# Allegro board SDHCalFEB20180110.brd (continued)
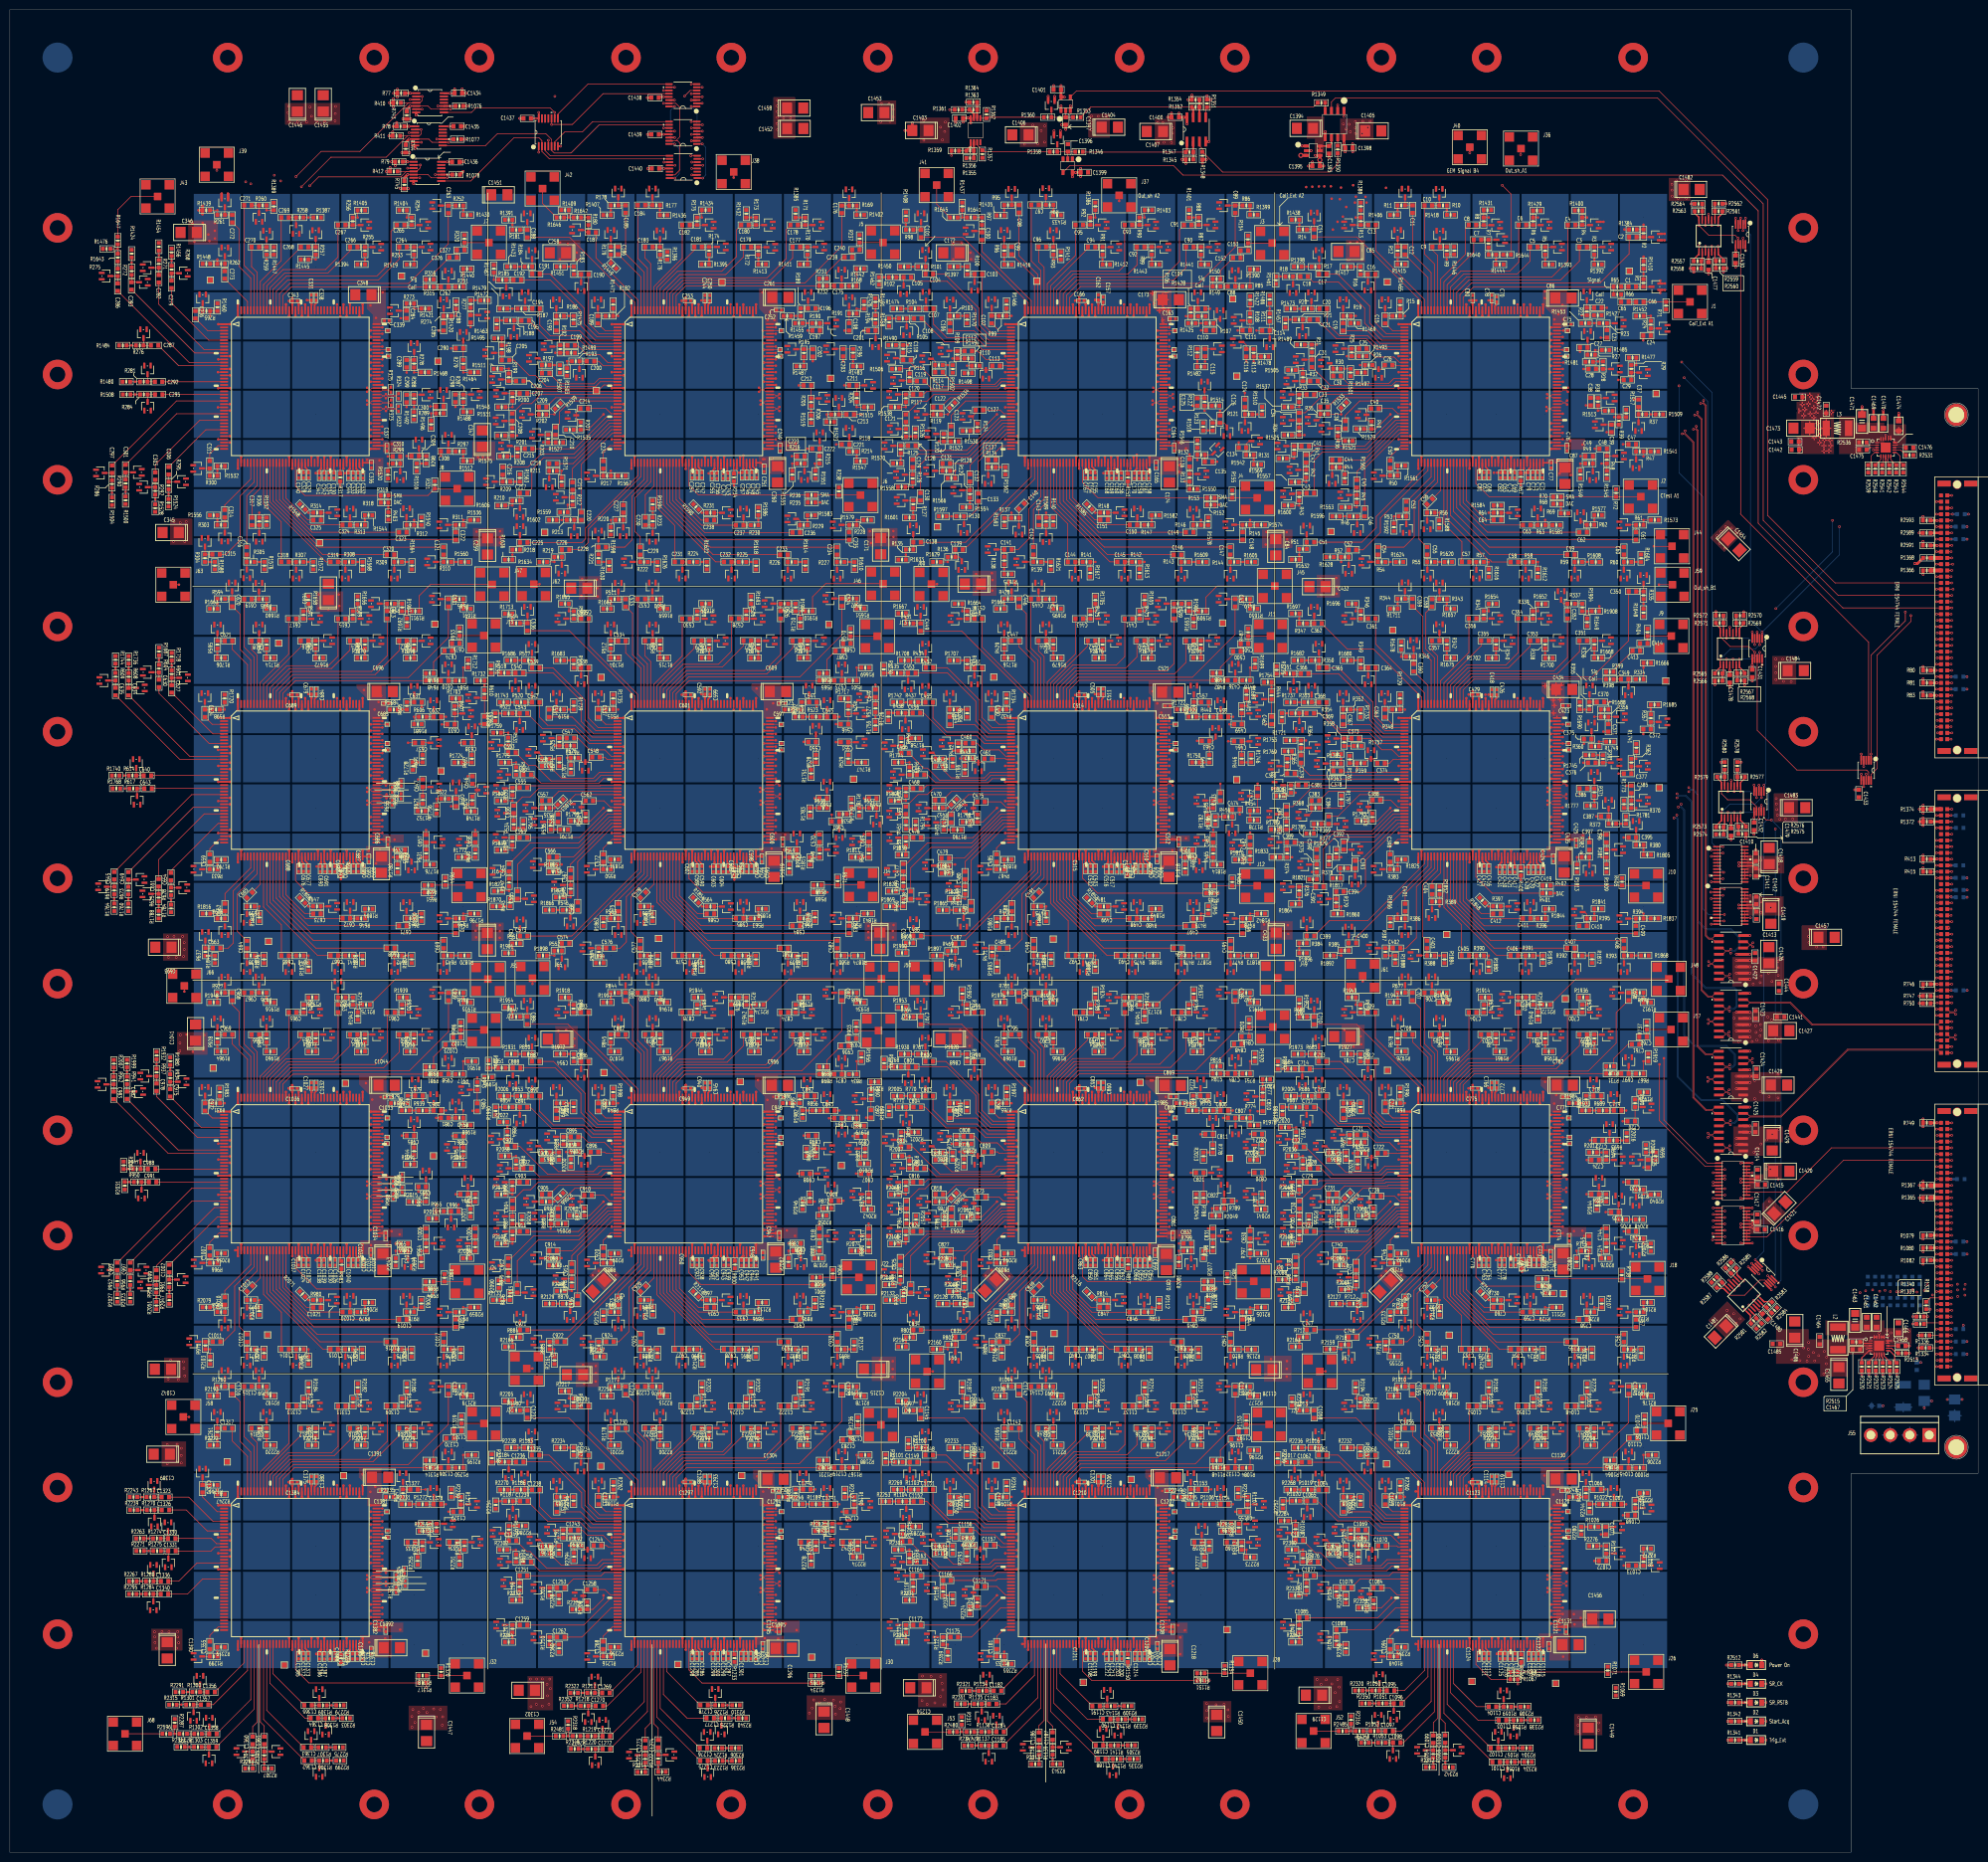
[diagram p0: board, top side]
## Routing (per net, layer and track width the routed paths; a pad name or vN(x,y) marks a point on that pad's centre or on a via; arc(x,y) is an arc through that point) (continued)
GEM_OUT_M55: length 45.7
  TOP w0.127: R2312.2 289.45,17.28 v1(289.45,18.25) R1054.1
  GND1 w0.127: v1(289.45,18.25) v2(289.45,18.98)
  SIG3 w0.127: v2(289.45,18.98) 289.45,23.87 311.46,45.88 v2(311.46,52.2)
  GND3 w0.127: v3(312.2,52.2) v2(311.46,52.2)
GEM_OUT_M56: length 35
  TOP w0.127: R2342.2 291.89,17.26 v1(291.89,18.24) R1055.1
  GND1 w0.127: v2(291.89,18.97) v1(291.89,18.24)
  SIG3 w0.127: v2(312.2,41.46) 312.2,38.08 293.09,18.97 v2(291.89,18.97)
  GND3 w0.127: v3(312.2,42.2) v2(312.2,41.46)
GEM_OUT_M57: length 37.5
  TOP w0.127: R2334.2 307.94,18.33 v1(306.98,18.33) R1056.1
  GND1 w0.127: v2(307.72,18.33) v1(306.98,18.33)
  SIG3 w0.127: v2(307.72,18.33) 330.85,41.46 v2(332.2,41.46)
  GND3 w0.127: v3(332.2,42.2) v2(332.2,41.46)
GEM_OUT_M58: length 44.4
  TOP w0.127: R1057.1 v1(306.65,21.15) 307.61,21.15 R2304.2
  GND1 w0.127: v2(307.39,21.15) v1(306.65,21.15)
  SIG3 w0.127: v2(307.39,21.15) 331.46,45.22 v2(331.46,52.2)
  GND3 w0.127: v3(332.2,52.2) v2(331.46,52.2)
GEM_OUT_M59: length 23.5
  TOP w0.127: R1058.1 v1(308.28,26.84) 309.24,26.84 R2338.2
  GND1 w0.127: v1(308.28,26.84) v2(309.02,26.84)
  SIG3 w0.127: v2(322.2,41.46) 322.2,40.02 v2(309.02,26.84)
  GND3 w0.127: v3(322.2,42.2) v2(322.2,41.46)
GEM_OUT_M60: length 32
  TOP w0.127: R2308.2 307.2,29.56 v1(306.25,29.56) R1059.1
  GND1 w0.127: v2(306.98,29.56) v1(306.25,29.56)
  SIG3 w0.127: v2(306.98,29.56) 321.46,44.04 v2(321.46,52.2)
  GND3 w0.127: v3(322.2,52.2) v2(321.46,52.2)
GEM_OUT_N1: length 5.1
  TOP w0.127: R2196.2 252.2,81.67 v1(252.2,80.73) 252.2,78.12 R1084.1
  GND1 w0.127: v2(252.2,81.46) v1(252.2,80.73)
  GND3 w0.127: v3(252.2,82.2) v2(252.2,81.46)
GEM_OUT_N2: length 3.4
  TOP w0.127: R2177.2 252.2,92.72 v1(252.2,93.67) 252.2,94.63 R1085.1
  GND1 w0.127: v2(252.2,92.94) v1(252.2,93.67)
  GND3 w0.127: v3(252.2,92.2) v2(252.2,92.94)
GEM_OUT_N3: length 3.4
  TOP w0.127: R1086.1 242.2,84.63 v1(242.2,83.67) 242.2,82.71 R2197.2
  GND1 w0.127: v2(242.2,82.94) v1(242.2,83.67)
  GND3 w0.127: v3(242.2,82.2) v2(242.2,82.94)
GEM_OUT_N4: length 3.9
  TOP w0.127: R2213.2 240.73,93.68 v1(240.73,92.2) 239.76,92.2 R1087.1
  GND1 w0.127: v2(241.46,92.2) v1(240.73,92.2)
  GND3 w0.127: v3(242.2,92.2) v2(241.46,92.2)
GEM_OUT_N5: length 3.4
  TOP w0.127: R1088.1 232.2,84.63 v1(232.2,83.67) 232.2,82.72 R2198.2
  GND1 w0.127: v2(232.2,82.94) v1(232.2,83.67)
  GND3 w0.127: v3(232.2,82.2) v2(232.2,82.94)
GEM_OUT_N6: length 3.9
  TOP w0.127: R2214.2 230.73,93.68 v1(230.73,92.2) 229.78,92.2 R1089.1
  GND1 w0.127: v2(231.46,92.2) v1(230.73,92.2)
  GND3 w0.127: v3(232.2,92.2) v2(231.46,92.2)
GEM_OUT_N7: length 3.4
  TOP w0.127: R2210.2 222.2,82.72 v1(222.2,83.67) 222.2,84.64 R1090.1
  GND1 w0.127: v2(222.2,82.94) v1(222.2,83.67)
  GND3 w0.127: v3(222.2,82.2) v2(222.2,82.94)
GEM_OUT_N8: length 3.9
  TOP w0.127: R2226.2 220.73,93.69 v1(220.73,92.2) 219.77,92.2 R1091.1
  GND1 w0.127: v2(221.46,92.2) v1(220.73,92.2)
  GND3 w0.127: v3(222.2,92.2) v2(221.46,92.2)
GEM_OUT_N9: length 3.4
  TOP w0.127: R1092.1 212.2,84.63 v1(212.2,83.67) 212.2,82.71 R2211.2
  GND1 w0.127: v2(212.2,82.94) v1(212.2,83.67)
  GND3 w0.127: v3(212.2,82.2) v2(212.2,82.94)
GEM_OUT_N10: length 3.4
  TOP w0.127: R2227.2 212.2,92.71 v1(212.2,93.67) 212.2,94.63 R1093.1
  GND1 w0.127: v2(212.2,92.94) v1(212.2,93.67)
  GND3 w0.127: v3(212.2,92.2) v2(212.2,92.94)
GEM_OUT_N11: length 3.4
  TOP w0.127: R2228.2 202.2,92.72 v1(202.2,93.67) 202.2,94.63 R1094.1
  GND1 w0.127: v2(202.2,92.94) v1(202.2,93.67)
  GND3 w0.127: v3(202.2,92.2) v2(202.2,92.94)
GEM_OUT_N12: length 3.4
  TOP w0.127: R1095.1 202.2,84.63 v1(202.2,83.67) R2212.2
  GND1 w0.127: v2(202.2,82.94) v1(202.2,83.67)
  GND3 w0.127: v3(202.2,82.2) v2(202.2,82.94)
GEM_OUT_N13: length 3.9
  TOP w0.127: R1096.1 194.63,92.2 v1(193.67,92.2) 193.67,93.69 R2187.2
  GND1 w0.127: v2(192.94,92.2) v1(193.67,92.2)
  GND3 w0.127: v3(192.2,92.2) v2(192.94,92.2)
GEM_OUT_N14: length 3.4
  TOP w0.127: R1097.1 182.2,89.77 v1(182.2,90.73) 182.2,91.69 R2204.2
  GND1 w0.127: v2(182.2,91.46) v1(182.2,90.73)
  GND3 w0.127: v3(182.2,92.2) v2(182.2,91.46)
GEM_OUT_N15: length 1.5
  GND1 w0.127: v2(202.94,72.2) v1(203.67,72.2)
  GND3 w0.127: v3(202.2,72.2) v2(202.94,72.2)
GEM_OUT_N16: length 3.4
  TOP w0.127: R2233.2 192.7,82.2 v1(193.67,82.2) 194.63,82.2 R1099.1
  GND1 w0.127: v2(192.94,82.2) v1(193.67,82.2)
  GND3 w0.127: v3(192.2,82.2) v2(192.94,82.2)
GEM_OUT_N17: length 3.4
  TOP w0.127: R2237.2 182.72,82.2 v1(183.67,82.2) 184.64,82.2 R1100.1
  GND1 w0.127: v2(182.94,82.2) v1(183.67,82.2)
  GND3 w0.127: v3(182.2,82.2) v2(182.94,82.2)
GEM_OUT_N18: length 38.4
  TOP w0.127: R2257.2 178.09,79.27 v1(179.04,79.27) R1101.1
  GND1 w0.127: v2(179.78,79.27) v1(179.04,79.27)
  SIG3 w0.127: v2(179.78,79.27) 205.86,79.27 v2(212.2,72.94)
  GND3 w0.127: v3(212.2,72.2) v2(212.2,72.94)
GEM_OUT_N19: length 3.4
  TOP w0.127: R1102.1 192.74,72.2 v1(193.67,72.2) 194.63,72.2 R2265.2
  GND1 w0.127: v2(192.94,72.2) v1(193.67,72.2)
  GND3 w0.127: v3(192.2,72.2) v2(192.94,72.2)
GEM_OUT_N20: length 3.4
  TOP w0.127: R1103.1 183.16,73.67 v1(182.2,73.67) 181.27,73.67 R2269.2
  GND1 w0.127: v2(182.2,72.94) v1(182.2,73.67)
  GND3 w0.127: v3(182.2,72.2) v2(182.2,72.94)
GEM_OUT_N21: length 45.1
  TOP w0.127: R1104.1 v1(179.81,71.27) 178.85,71.27 R2253.2
  GND1 w0.127: v2(180.54,71.27) v1(179.81,71.27)
  SIG3 w0.127: v2(180.54,71.27) 181.09,71.27 181.28,71.46 v2(222.2,71.46)
  GND3 w0.127: v3(222.2,72.2) v2(222.2,71.46)
GEM_OUT_N22: length 7.9
  TOP w0.127: R1105.1 240.13,72.2 v1(239.17,72.2)
  GND1 w0.127: v2(238.43,72.2) v1(239.17,72.2)
  SIG3 w0.127: v2(232.94,72.2) v2(238.43,72.2)
  GND3 w0.127: v3(232.2,72.2) v2(232.94,72.2)
GEM_OUT_N23: length 3.4
  TOP w0.127: R2245.2 241.24,70.73 v1(242.2,70.73) 243.15,70.73 R1106.1
  GND1 w0.127: v2(242.2,71.46) v1(242.2,70.73)
  GND3 w0.127: v3(242.2,72.2) v2(242.2,71.46)
GEM_OUT_N24: length 3.4
  TOP w0.127: R2241.2 249.74,72.2 v1(250.73,72.2) 251.69,72.2 R1107.1
  GND1 w0.127: v2(251.46,72.2) v1(250.73,72.2)
  GND3 w0.127: v3(252.2,72.2) v2(251.46,72.2)
GEM_OUT_N25: length 22.5
  TOP w0.127: v1(191.34,63.89) R1108.1
  GND1 w0.127: v2(192.07,63.89) v1(191.34,63.89)
  SIG3 w0.127: v2(211.46,62.2) 202.14,62.2 200.45,63.89 v2(192.07,63.89)
  GND3 w0.127: v3(212.2,62.2) v2(211.46,62.2)
GEM_OUT_N26: length 11.5
  TOP w0.127: v1(193.62,62.38) R1109.1 194.57,60.9 R2293.2
  GND1 w0.127: v2(194.15,61.86) v1(193.62,62.38)
  SIG3 w0.127: v2(201.68,61.68) 201.13,61.68 200.95,61.86 v2(194.15,61.86)
  GND3 w0.127: v3(202.2,62.2) v2(201.68,61.68)
GEM_OUT_N27: length 20.4
  TOP w0.127: v1(248.97,65.21) R1110.1
  GND1 w0.127: v2(248.23,65.21) v1(248.97,65.21)
  SIG3 w0.127: v2(231.46,62.2) 234.47,65.21 v2(248.23,65.21)
  GND3 w0.127: v3(232.2,62.2) v2(231.46,62.2)
GEM_OUT_N28: length 4
  TOP w0.127: R1111.1 243.88,61.46 v1(242.94,61.46) 242.94,59.95 R2277.2
  GND1 w0.127: v2(242.2,61.46) v1(242.94,61.46)
  GND3 w0.127: v3(242.2,62.2) v2(242.2,61.46)
GEM_OUT_N29: length 4
  TOP w0.127: R1112.1 250.51,61.46 v1(251.46,61.46) 251.46,59.95 R2273.2
  GND1 w0.127: v2(252.2,61.46) v1(251.46,61.46)
  GND3 w0.127: v3(252.2,62.2) v2(252.2,61.46)
GEM_OUT_N30: length 3.4
  TOP w0.127: R1113.1 189.76,62.2 v1(190.73,62.2) 191.71,62.2 R2297.2
  GND1 w0.127: v2(191.46,62.2) v1(190.73,62.2)
  GND3 w0.127: v3(192.2,62.2) v2(191.46,62.2)
GEM_OUT_N31: length 43.2
  TOP w0.127: v1(182.45,66.19) R1114.1
  GND1 w0.127: v2(182.45,65.46) v1(182.45,66.19)
  SIG3 w0.127: v2(221.05,62.2) 220.13,63.12 207.98,63.12 207.54,62.69 203.02,62.69 200.25,65.46 v2(182.45,65.46)
  GND3 w0.127: v3(222.2,62.2) v2(221.05,62.2)
GEM_OUT_N32: length 3.9
  TOP w0.127: R2301.2 181.44,61.46 v1(182.94,61.46) 182.94,60.51 R1115.1
  GND1 w0.127: v2(182.2,61.46) v1(182.94,61.46)
  GND3 w0.127: v3(182.2,62.2) v2(182.2,61.46)
GEM_OUT_N33: length 3.4
  TOP w0.127: R1116.1 183.67,53.15 v1(183.67,52.2) 183.67,51.25 R2331.2
  GND1 w0.127: v2(182.94,52.2) v1(183.67,52.2)
  GND3 w0.127: v3(182.2,52.2) v2(182.94,52.2)
GEM_OUT_N35: length 3.4
  TOP w0.127: R1118.1 189.78,52.2 v1(190.73,52.2) 191.69,52.2 R2327.2
  GND1 w0.127: v2(191.46,52.2) v1(190.73,52.2)
  GND3 w0.127: v3(192.2,52.2) v2(191.46,52.2)
GEM_OUT_N40: length 7.9
  TOP w0.127: R2324.2 R1123.1 198.49,49.96 v1(200.73,52.2)
  GND1 w0.127: v2(201.46,52.2) v1(200.73,52.2)
  GND3 w0.127: v3(202.2,52.2) v2(201.46,52.2)
GEM_OUT_N41: length 3.4
  TOP w0.127: R1124.1 182.2,44.62 v1(182.2,43.67) 182.2,42.73 R2363.2
  GND1 w0.127: v2(182.2,42.94) v1(182.2,43.67)
  GND3 w0.127: v3(182.2,42.2) v2(182.2,42.94)
GEM_OUT_N44: length 3.9
  TOP w0.127: R1127.1 189.79,42.2 v1(190.73,42.2) 190.73,40.69 R2359.2
  GND1 w0.127: v2(191.46,42.2) v1(190.73,42.2)
  GND3 w0.127: v3(192.2,42.2) v2(191.46,42.2)
GEM_OUT_N50: length 3.9
  TOP w0.127: R2355.2 R1133.1 202.2,39.78 v1(202.2,40.73)
  GND1 w0.127: v2(202.2,41.46) v1(202.2,40.73)
  GND3 w0.127: v3(202.2,42.2) v2(202.2,41.46)
GEM_OUT_N51: length 28.9
  TOP w0.127: R2321.2 195.13,32.77 v1(196.09,32.77) R1134.1
  GND1 w0.127: v2(196.82,32.77) v1(196.09,32.77)
  SIG3 w0.127: v2(211.46,52.2) 211.46,47.41 v2(196.82,32.77)
  GND3 w0.127: v3(212.2,52.2) v2(211.46,52.2)
GEM_OUT_N52: length 24.4
  TOP w0.127: R2351.2 194.19,30.11 v1(195.15,30.11) R1135.1
  GND1 w0.127: v2(195.88,30.11) v1(195.15,30.11)
  SIG3 w0.127: v2(212.2,41.46) 200.84,30.11 v2(195.88,30.11)
  GND3 w0.127: v3(212.2,42.2) v2(212.2,41.46)
GEM_OUT_N53: length 1.5
  TOP w0.127: R1136.1 197.58,24.43 R2476.1
GEM_OUT_N54: length 36.5
  TOP w0.127: R1137.1 v1(196.57,21.68) 195.61,21.68 R2347.2
  GND1 w0.127: v2(197.31,21.68) v1(196.57,21.68)
  SIG3 w0.127: v2(222.2,41.46) 202.41,21.68 v2(197.31,21.68)
  GND3 w0.127: v3(222.2,42.2) v2(222.2,41.46)
GEM_OUT_N55: length 45.2
  TOP w0.127: R2313.2 209.29,17.89 v1(209.29,18.85) R1138.1
  GND1 w0.127: v2(209.29,19.58) v1(209.29,18.85)
  SIG3 w0.127: v2(231.46,52.2) 225.88,46.62 225.88,36.18 v2(209.29,19.58)
  GND3 w0.127: v3(232.2,52.2) v2(231.46,52.2)
GEM_OUT_N56: length 33.6
  TOP w0.127: R2343.2 212.06,17.92 v1(212.06,18.87) R1139.1
  GND1 w0.127: v2(212.06,19.61) v1(212.06,18.87)
  SIG3 w0.127: v2(212.06,19.61) 232.2,39.75 v2(232.2,41.46)
  GND3 w0.127: v3(232.2,42.2) v2(232.2,41.46)
GEM_OUT_N57: length 37.4
  TOP w0.127: R2335.2 227.73,18.94 v1(226.77,18.94) R1140.1
  GND1 w0.127: v1(226.77,18.94) v2(227.51,18.94)
  SIG3 w0.127: v2(252.2,41.46) 229.68,18.94 v2(227.51,18.94)
  GND3 w0.127: v3(252.2,42.2) v2(252.2,41.46)
GEM_OUT_N58: length 44
  TOP w0.127: R1141.1 v1(226.31,21.71) 227.27,21.71 R2305.2
  GND1 w0.127: v1(226.31,21.71) v2(227.05,21.71)
  SIG3 w0.127: v2(251.46,52.2) 251.46,46.12 v2(227.05,21.71)
  GND3 w0.127: v3(252.2,52.2) v2(251.46,52.2)
GEM_OUT_N59: length 23.5
  TOP w0.127: R1142.1 v1(227.79,27.02) 228.74,27.02 R2339.2
  GND1 w0.127: v1(227.79,27.02) v2(228.52,27.02)
  SIG3 w0.127: v2(228.52,27.02) 242.2,40.69 v2(242.2,41.46)
  GND3 w0.127: v3(242.2,42.2) v2(242.2,41.46)
GEM_OUT_N60: length 32.2
  TOP w0.127: R1143.1 v1(225.6,29.68) 226.56,29.68 R2309.2
  GND1 w0.127: v1(225.6,29.68) v2(226.34,29.68)
  SIG3 w0.127: v2(226.34,29.68) 241.46,44.81 v2(241.46,52.2)
  GND3 w0.127: v3(242.2,52.2) v2(241.46,52.2)
GEM_OUT_O1: length 5
  TOP w0.127: R2188.2 173.16,80.73 v1(172.2,80.73) 172.2,78.16 R1167.1
  GND1 w0.127: v2(172.2,81.46) v1(172.2,80.73)
  GND3 w0.127: v3(172.2,82.2) v2(172.2,81.46)
GEM_OUT_O2: length 3.4
  TOP w0.127: R1168.1 172.2,94.64 v1(172.2,93.67) 172.2,92.71 R2178.2
  GND1 w0.127: v2(172.2,92.94) v1(172.2,93.67)
  GND3 w0.127: v3(172.2,92.2) v2(172.2,92.94)
GEM_OUT_O3: length 3.4
  TOP w0.127: R1169.1 162.2,84.64 v1(162.2,83.67) 162.2,82.72 R2189.2
  GND1 w0.127: v2(162.2,82.94) v1(162.2,83.67)
  GND3 w0.127: v3(162.2,82.2) v2(162.2,82.94)
GEM_OUT_O4: length 3.9
  TOP w0.127: R1170.1 159.77,92.2 v1(160.73,92.2) 160.73,93.68 R2191.2
  GND1 w0.127: v2(161.46,92.2) v1(160.73,92.2)
  GND3 w0.127: v3(162.2,92.2) v2(161.46,92.2)
GEM_OUT_O5: length 3.4
  TOP w0.127: R2190.2 152.2,82.71 v1(152.2,83.67) 152.2,84.61 R1171.1
  GND1 w0.127: v2(152.2,82.94) v1(152.2,83.67)
  GND3 w0.127: v3(152.2,82.2) v2(152.2,82.94)
GEM_OUT_O6: length 3.9
  TOP w0.127: R1172.1 149.77,92.2 v1(150.73,92.2) 150.73,93.64 R2202.2
  GND1 w0.127: v2(151.46,92.2) v1(150.73,92.2)
  GND3 w0.127: v3(152.2,92.2) v2(151.46,92.2)
GEM_OUT_O7: length 3.4
  TOP w0.127: R1173.1 142.2,84.63 v1(142.2,83.67) 142.2,82.71 R2199.2
  GND1 w0.127: v2(142.2,82.94) v1(142.2,83.67)
  GND3 w0.127: v3(142.2,82.2) v2(142.2,82.94)
GEM_OUT_O8: length 3.9
  TOP w0.127: R1174.1 139.76,92.2 v1(140.73,92.2) 140.73,93.68 R2203.2
  GND1 w0.127: v2(141.46,92.2) v1(140.73,92.2)
  GND3 w0.127: v3(142.2,92.2) v2(141.46,92.2)
GEM_OUT_O9: length 3.4
  TOP w0.127: R2200.2 132.2,82.7 v1(132.2,83.67) 132.2,84.63 R1175.1
  GND1 w0.127: v2(132.2,82.94) v1(132.2,83.67)
  GND3 w0.127: v3(132.2,82.2) v2(132.2,82.94)
GEM_OUT_O10: length 3.4
  TOP w0.127: R1176.1 132.2,94.64 v1(132.2,93.67) 132.2,92.71 R2215.2
  GND1 w0.127: v2(132.2,92.94) v1(132.2,93.67)
  GND3 w0.127: v3(132.2,92.2) v2(132.2,92.94)
GEM_OUT_O11: length 3.4
  TOP w0.127: R2216.2 122.2,92.72 v1(122.2,93.67) 122.2,94.61 R1177.1
  GND1 w0.127: v2(122.2,92.94) v1(122.2,93.67)
  GND3 w0.127: v3(122.2,92.2) v2(122.2,92.94)
GEM_OUT_O12: length 3.4
  TOP w0.127: R1178.1 v1(122.2,83.67) 122.2,82.71 R2201.2
  GND1 w0.127: v2(122.2,82.94) v1(122.2,83.67)
  GND3 w0.127: v3(122.2,82.2) v2(122.2,82.94)
GEM_OUT_O13: length 3.9
  TOP w0.127: R2217.2 v1(113.67,92.2) 114.62,92.2 R1179.1
  GND1 w0.127: v2(112.94,92.2) v1(113.67,92.2)
  GND3 w0.127: v3(112.2,92.2) v2(112.94,92.2)
GEM_OUT_O14: length 3.4
  TOP w0.127: R2205.2 102.2,91.69 v1(102.2,90.73) 102.2,89.81 R1180.1
  GND1 w0.127: v2(102.2,91.46) v1(102.2,90.73)
  GND3 w0.127: v3(102.2,92.2) v2(102.2,91.46)
GEM_OUT_O15: length 3.9
  TOP w0.127: R2262.2 122.73,72.22 R1181.1 122.74,72.2 v1(123.67,72.2)
  GND1 w0.127: v2(122.94,72.2) v1(123.67,72.2)
  GND3 w0.127: v3(122.2,72.2) v2(122.94,72.2)
GEM_OUT_O16: length 3.4
  TOP w0.127: R1182.1 114.62,82.2 v1(113.67,82.2) 112.71,82.2 R2234.2
  GND1 w0.127: v2(112.94,82.2) v1(113.67,82.2)
  GND3 w0.127: v3(112.2,82.2) v2(112.94,82.2)
GEM_OUT_O17: length 3.4
  TOP w0.127: R2238.2 102.7,82.2 v1(103.67,82.2) 104.63,82.2 R1183.1
  GND1 w0.127: v2(102.94,82.2) v1(103.67,82.2)
  GND3 w0.127: v3(102.2,82.2) v2(102.94,82.2)
GEM_OUT_O18: length 38.5
  TOP w0.127: R2258.2 98.01,79.32 v1(98.96,79.32) R1184.1
  GND1 w0.127: v2(99.69,79.32) v1(98.96,79.32)
  SIG3 w0.127: v2(132.2,72.94) 125.81,79.32 v2(99.69,79.32)
  GND3 w0.127: v3(132.2,72.2) v2(132.2,72.94)
GEM_OUT_O19: length 3.4
  TOP w0.127: R1185.1 112.73,72.2 v1(113.67,72.2) 114.62,72.2 R2266.2
  GND1 w0.127: v2(112.94,72.2) v1(113.67,72.2)
  GND3 w0.127: v3(112.2,72.2) v2(112.94,72.2)
GEM_OUT_O20: length 3.4
  TOP w0.127: R2270.2 101.26,73.67 v1(102.2,73.67) 103.15,73.67 R1186.1
  GND1 w0.127: v2(102.2,72.94) v1(102.2,73.67)
  GND3 w0.127: v3(102.2,72.2) v2(102.2,72.94)
GEM_OUT_O21: length 45.2
  TOP w0.127: R2254.2 98.81,71.32 v1(99.77,71.32) R1187.1
  GND1 w0.127: v2(100.51,71.32) v1(99.77,71.32)
  SIG3 w0.127: v2(142.2,71.46) 141.65,71.46 141.51,71.32 v2(100.51,71.32)
  GND3 w0.127: v3(142.2,72.2) v2(142.2,71.46)
GEM_OUT_O22: length 8.6
  TOP w0.127: R1188.1 159.79,72.2 v1(158.83,72.2) 157.88,72.2 R2250.2
  GND1 w0.127: v2(158.09,72.2) v1(158.83,72.2)
  SIG3 w0.127: v2(152.94,72.2) v2(158.09,72.2)
  GND3 w0.127: v3(152.2,72.2) v2(152.94,72.2)
GEM_OUT_O23: length 3.4
  TOP w0.127: R1189.1 163.14,70.73 v1(162.2,70.73) 161.23,70.73 R2246.2
  GND1 w0.127: v2(162.2,71.46) v1(162.2,70.73)
  GND3 w0.127: v3(162.2,72.2) v2(162.2,71.46)
GEM_OUT_O24: length 3.4
  TOP w0.127: R2242.2 169.78,72.2 v1(170.73,72.2) 171.68,72.2 R1190.1
  GND1 w0.127: v2(171.46,72.2) v1(170.73,72.2)
  GND3 w0.127: v3(172.2,72.2) v2(171.46,72.2)
GEM_OUT_O25: length 23.8
  TOP w0.127: v1(111.56,63.92) R1191.1 112.53,63.91 R2290.2
  GND1 w0.127: v1(111.56,63.92) 111.9,63.92 111.91,63.91 v2(112.45,63.91)
  SIG3 w0.127: v2(112.45,63.91) 120.45,63.91 122.15,62.2 v2(131.46,62.2)
  GND3 w0.127: v3(132.2,62.2) v2(131.46,62.2)
GEM_OUT_O26: length 11.4
  TOP w0.127: v1(113.72,62.31) R1192.1 114.69,60.82 R2294.2
  GND1 w0.127: v2(114.24,61.79) v1(113.72,62.31)
  SIG3 w0.127: v2(114.24,61.79) 114.84,61.79 114.95,61.68 v2(121.68,61.68)
  GND3 w0.127: v3(122.2,62.2) v2(121.68,61.68)
GEM_OUT_O27: length 18.9
  TOP w0.127: R1193.1 v1(166.27,65.26) 165.29,65.26 R2282.2
  GND1 w0.127: v1(166.27,65.26) v2(165.53,65.26)
  SIG3 w0.127: v2(165.53,65.26) 162.96,62.69 155.7,62.69 155.04,62.03 152.83,62.03 152.66,62.2 v2(151.46,62.2)
  GND3 w0.127: v2(151.46,62.2) v3(152.2,62.2)
GEM_OUT_O28: length 3.9
  TOP w0.127: R2278.2 162.94,59.97 v1(162.94,61.46) 163.89,61.46 R1194.1
  GND1 w0.127: v2(162.2,61.46) v1(162.94,61.46)
  GND3 w0.127: v3(162.2,62.2) v2(162.2,61.46)
GEM_OUT_O29: length 3.9
  TOP w0.127: R1195.1 172.4,61.46 v1(171.46,61.46) 171.46,60.01 R2274.2
  GND1 w0.127: v2(172.2,61.46) v1(171.46,61.46)
  GND3 w0.127: v3(172.2,62.2) v2(172.2,61.46)
GEM_OUT_O30: length 3.4
  TOP w0.127: R1196.1 109.77,62.2 v1(110.73,62.2) 111.68,62.2 R2298.2
  GND1 w0.127: v2(111.46,62.2) v1(110.73,62.2)
  GND3 w0.127: v3(112.2,62.2) v2(111.46,62.2)
GEM_OUT_O31: length 43.7
  TOP w0.127: R1197.1 v1(102.41,66.31) 103.37,66.31 R2286.2
  GND1 w0.127: v2(103.15,66.31) v1(102.41,66.31)
  SIG3 w0.127: v2(103.15,66.31) 104.74,64.72 121.03,64.72 123.09,62.66 126.75,62.66 127.05,62.97 140.7,62.97 v2(141.46,62.2)
  GND3 w0.127: v3(142.2,62.2) v2(141.46,62.2)
GEM_OUT_O32: length 4.2
  TOP w0.127: R1198.1 102.94,60.52 v1(102.94,61.46) 101.16,61.46 R2302.2
  GND1 w0.127: v2(102.2,61.46) v1(102.94,61.46)
  GND3 w0.127: v3(102.2,62.2) v2(102.2,61.46)
GEM_OUT_O33: length 3.4
  TOP w0.127: R2332.2 103.67,51.24 v1(103.67,52.2) R1199.1
  GND1 w0.127: v2(102.94,52.2) v1(103.67,52.2)
  GND3 w0.127: v3(102.2,52.2) v2(102.94,52.2)
GEM_OUT_O35: length 3.4
  TOP w0.127: R2328.2 111.68,52.2 v1(110.73,52.2) 109.77,52.2 R1201.1
  GND1 w0.127: v2(111.46,52.2) v1(110.73,52.2)
  GND3 w0.127: v3(112.2,52.2) v2(111.46,52.2)
GEM_OUT_O40: length 7.9
  TOP w0.127: R2325.2 R1206.1 118.54,49.33 120.73,51.51 v1(120.73,52.2)
  GND1 w0.127: v2(121.46,52.2) v1(120.73,52.2)
  GND3 w0.127: v3(122.2,52.2) v2(121.46,52.2)
GEM_OUT_O41: length 3.4
  TOP w0.127: R2364.2 102.2,42.71 v1(102.2,43.67) R1207.1
  GND1 w0.127: v2(102.2,42.94) v1(102.2,43.67)
  GND3 w0.127: v3(102.2,42.2) v2(102.2,42.94)
GEM_OUT_O44: length 3.4
  TOP w0.127: R1210.1 109.78,42.2 v1(110.73,42.2) 111.67,42.2 R2360.2
  GND1 w0.127: v2(111.46,42.2) v1(110.73,42.2)
  GND3 w0.127: v3(112.2,42.2) v2(111.46,42.2)
GEM_OUT_O50: length 3.4
  TOP w0.127: R2356.2 v1(122.2,40.73) R1216.1
  GND1 w0.127: v2(122.2,41.46) v1(122.2,40.73)
  GND3 w0.127: v3(122.2,42.2) v2(122.2,41.46)
GEM_OUT_O51: length 29.1
  TOP w0.127: R1217.1 v1(116.48,32.37) 115.53,32.37 R2322.2
  GND1 w0.127: v1(116.48,32.37) v2(117.22,32.37)
  SIG3 w0.127: v2(131.46,52.2) 131.46,46.61 v2(117.22,32.37)
  GND3 w0.127: v3(132.2,52.2) v2(131.46,52.2)
GEM_OUT_O52: length 24.6
  TOP w0.127: R2352.2 114.18,29.73 v1(115.14,29.73) R1218.1
  GND1 w0.127: v1(115.14,29.73) v2(115.87,29.73)
  SIG3 w0.127: v2(115.87,29.73) 120.46,29.73 v2(132.2,41.46)
  GND3 w0.127: v3(132.2,42.2) v2(132.2,41.46)
GEM_OUT_O53: length 1.5
  TOP w0.127: R1219.1 116.02,23.58 R2477.1
GEM_OUT_O54: length 36.8
  TOP w0.127: R2348.2 115.64,20.96 v1(116.59,20.96) R1220.1
  GND1 w0.127: v1(116.59,20.96) v2(117.32,20.96)
  SIG3 w0.127: v2(142.2,41.46) 121.7,20.96 v2(117.32,20.96)
  GND3 w0.127: v3(142.2,42.2) v2(142.2,41.46)
GEM_OUT_O55: length 46.8
  TOP w0.127: R2314.2 129.2,16.29 v1(129.2,17.25) R1221.1
  GND1 w0.127: v1(129.2,17.25) v2(129.2,17.98)
  SIG3 w0.127: v2(151.46,52.2) 147.07,47.8 147.07,39.65 129.2,21.78 v2(129.2,17.98)
  GND3 w0.127: v3(152.2,52.2) v2(151.46,52.2)
GEM_OUT_O56: length 35.3
  TOP w0.127: R2344.2 131.84,16.34 v1(131.84,17.3) R1222.1
  GND1 w0.127: v1(131.84,17.3) v2(131.84,18.03)
  SIG3 w0.127: v2(131.84,18.03) 152.2,38.39 v2(152.2,41.46)
  GND3 w0.127: v3(152.2,42.2) v2(152.2,41.46)
GEM_OUT_O57: length 38.5
  TOP w0.127: R2336.2 146.83,18.56 v1(145.87,18.56) R1223.1
  GND1 w0.127: v1(145.87,18.56) v2(146.61,18.56)
  SIG3 w0.127: v2(172.2,41.46) 169.51,41.46 v2(146.61,18.56)
  GND3 w0.127: v3(172.2,42.2) v2(172.2,41.46)
GEM_OUT_O58: length 44.8
  TOP w0.127: R2306.2 146.73,21.15 v1(145.77,21.15) R1224.1
  GND1 w0.127: v1(145.77,21.15) v2(146.51,21.15)
  SIG3 w0.127: v2(171.46,52.2) 171.46,46.11 v2(146.51,21.15)
  GND3 w0.127: v3(172.2,52.2) v2(171.46,52.2)
GEM_OUT_O59: length 23.6
  TOP w0.127: R2340.2 148.19,27.25 v1(147.24,27.25) R1225.1
  GND1 w0.127: v1(147.24,27.25) v2(147.98,27.25)
  SIG3 w0.127: v2(162.2,41.46) 161.81,41.08 161.81,41.08 v2(147.98,27.25)
  GND3 w0.127: v3(162.2,42.2) v2(162.2,41.46)
GEM_OUT_O60: length 31.9
  TOP w0.127: R1226.1 v1(145.92,29.86) 146.88,29.86 R2310.2
  GND1 w0.127: v1(145.92,29.86) v2(146.66,29.86)
  SIG3 w0.127: v2(161.46,52.2) 161.46,44.67 v2(146.66,29.86)
  GND3 w0.127: v3(162.2,52.2) v2(161.46,52.2)
GEM_OUT_P1: length 5
  TOP w0.127: R1250.1 92.19,78.73 92.2,78.73 v1(92.2,80.73) 92.21,80.72 R2195.2
  GND1 w0.127: v2(92.2,81.46) v1(92.2,80.73)
  GND3 w0.127: v3(92.2,82.2) v2(92.2,81.46)
GEM_OUT_P2: length 3.4
  TOP w0.127: R2179.2 92.2,92.71 v1(92.2,93.67) 92.2,94.63 R1251.1
  GND1 w0.127: v2(92.2,92.94) v1(92.2,93.67)
  GND3 w0.127: v3(92.2,92.2) v2(92.2,92.94)
GEM_OUT_P3: length 3.4
  TOP w0.127: R2229.2 82.2,82.71 v1(82.2,83.67) 82.2,84.64 R1252.1
  GND1 w0.127: v2(82.2,82.94) v1(82.2,83.67)
  GND3 w0.127: v3(82.2,82.2) v2(82.2,82.94)
GEM_OUT_P4: length 3.9
  TOP w0.127: R2180.2 80.73,93.69 v1(80.73,92.2) 79.76,92.2 R1253.1
  GND1 w0.127: v2(81.46,92.2) v1(80.73,92.2)
  GND3 w0.127: v3(82.2,92.2) v2(81.46,92.2)
GEM_OUT_P5: length 3.4
  TOP w0.127: R1254.1 72.2,84.6 v1(72.2,83.67) 72.2,82.71 R2207.2
  GND1 w0.127: v2(72.2,82.94) v1(72.2,83.67)
  GND3 w0.127: v3(72.2,82.2) v2(72.2,82.94)
GEM_OUT_P6: length 3.9
  TOP w0.127: R1255.1 69.78,92.2 v1(70.73,92.2) 70.73,93.67 R2182.2
  GND1 w0.127: v2(71.46,92.2) v1(70.73,92.2)
  GND3 w0.127: v3(72.2,92.2) v2(71.46,92.2)
GEM_OUT_P7: length 3.4
  TOP w0.127: R2219.2 62.2,82.72 v1(62.2,83.67) 62.2,84.61 R1256.1
  GND1 w0.127: v2(62.2,82.94) v1(62.2,83.67)
  GND3 w0.127: v3(62.2,82.2) v2(62.2,82.94)
GEM_OUT_P8: length 3.9
  TOP w0.127: R1257.1 59.77,92.2 v1(60.73,92.2) 60.73,93.68 R2184.2
  GND1 w0.127: v2(61.46,92.2) v1(60.73,92.2)
  GND3 w0.127: v3(62.2,92.2) v2(61.46,92.2)
GEM_OUT_P9: length 3.4
  TOP w0.127: R2220.2 52.2,82.74 v1(52.2,83.67) 52.2,84.64 R1258.1
  GND1 w0.127: v2(52.2,82.94) v1(52.2,83.67)
  GND3 w0.127: v3(52.2,82.2) v2(52.2,82.94)
GEM_OUT_P10: length 3.4
  TOP w0.127: R2192.2 52.2,92.74 v1(52.2,93.67) 52.2,94.63 R1259.1
  GND1 w0.127: v2(52.2,92.94) v1(52.2,93.67)
  GND3 w0.127: v3(52.2,92.2) v2(52.2,92.94)
GEM_OUT_P11: length 3.4
  TOP w0.127: R2193.2 42.2,92.72 v1(42.2,93.67) 42.2,94.64 R1260.1
  GND1 w0.127: v2(42.2,92.94) v1(42.2,93.67)
  GND3 w0.127: v3(42.2,92.2) v2(42.2,92.94)
GEM_OUT_P12: length 3.4
  TOP w0.127: R2222.2 42.2,82.73 v1(42.2,83.67) 42.2,84.63 R1261.1
  GND1 w0.127: v2(42.2,82.94) v1(42.2,83.67)
  GND3 w0.127: v3(42.2,82.2) v2(42.2,82.94)
GEM_OUT_P15: length 3.4
  TOP w0.127: R2247.2 42.2,72.72 v1(42.2,73.67) 42.2,74.62 R1264.1
  GND1 w0.127: v2(42.2,72.94) v1(42.2,73.67)
  GND3 w0.127: v3(42.2,72.2) v2(42.2,72.94)
GEM_OUT_P18: length 27.2
  TOP w0.127: R1267.1 v1(26.87,72.16) 25.92,72.16 R2243.2
  GND1 w0.127: v2(27.61,72.16) v1(26.87,72.16)
  SIG3 w0.127: v2(51.46,72.2) 50.76,72.2 50.72,72.16 v2(27.61,72.16)
  GND3 w0.127: v3(52.2,72.2) v2(51.46,72.2)
GEM_OUT_P21: length 38.7
  TOP w0.127: R2239.2 25.97,69.52 v1(26.92,69.52) R1270.1
  GND1 w0.127: v2(27.66,69.52) v1(26.92,69.52)
  SIG3 w0.127: v2(27.66,69.52) 29.6,71.46 v2(62.2,71.46)
  GND3 w0.127: v3(62.2,72.2) v2(62.2,71.46)
GEM_OUT_P22: length 7.7
  TOP w0.127: v1(78.97,72.2) 79.93,72.2 R1271.1
  GND1 w0.127: v2(78.23,72.2) v1(78.97,72.2)
  SIG3 w0.127: v2(72.94,72.2) v2(78.23,72.2)
  GND3 w0.127: v3(72.2,72.2) v2(72.94,72.2)
GEM_OUT_P23: length 3.4
  TOP w0.127: R1272.1 83.16,70.73 v1(82.2,70.73) 81.25,70.73 R2231.2
  GND1 w0.127: v2(82.2,71.46) v1(82.2,70.73)
  GND3 w0.127: v3(82.2,72.2) v2(82.2,71.46)
GEM_OUT_P24: length 3.4
  TOP w0.127: R1273.1 91.69,72.2 v1(90.73,72.2) 89.77,72.2 R2230.2
  GND1 w0.127: v2(91.46,72.2) v1(90.73,72.2)
  GND3 w0.127: v3(92.2,72.2) v2(91.46,72.2)
GEM_OUT_P25: length 36.8
  TOP w0.127: R2263.2 v1(28.19,63.75) R1274.1
  GND1 w0.127: v2(28.93,63.75) v1(28.19,63.75)
  SIG3 w0.127: v2(61.46,62.2) 60.7,62.97 47.35,62.97 47.04,62.66 30.02,62.66 v2(28.93,63.75)
  GND3 w0.127: v3(62.2,62.2) v2(61.46,62.2)
GEM_OUT_P26: length 16.3
  TOP w0.127: R2271.2 v1(28.24,61.21) R1275.1
  GND1 w0.127: v2(28.98,61.21) v1(28.24,61.21)
  SIG3 w0.127: v2(28.98,61.21) 29.45,61.68 v2(41.68,61.68)
  GND3 w0.127: v3(42.2,62.2) v2(41.68,61.68)
GEM_OUT_P27: length 17.2
  TOP w0.127: R1276.1 v1(85.79,65.24) 84.84,65.24 R2259.2